# Altium PCB BTF16_2.PcbDoc (part 2 of 2)
Units mm, origin at the board's own origin, x right, y up, seen from the top; angles counter-clockwise.
Board outline 52.07 x 57.15 mm, 2 copper layers (Top Layer, Bottom Layer); 273 components, 134 nets, 1710 pads, 0 vias.
Unrouted connection lines stored in the file: 1540.
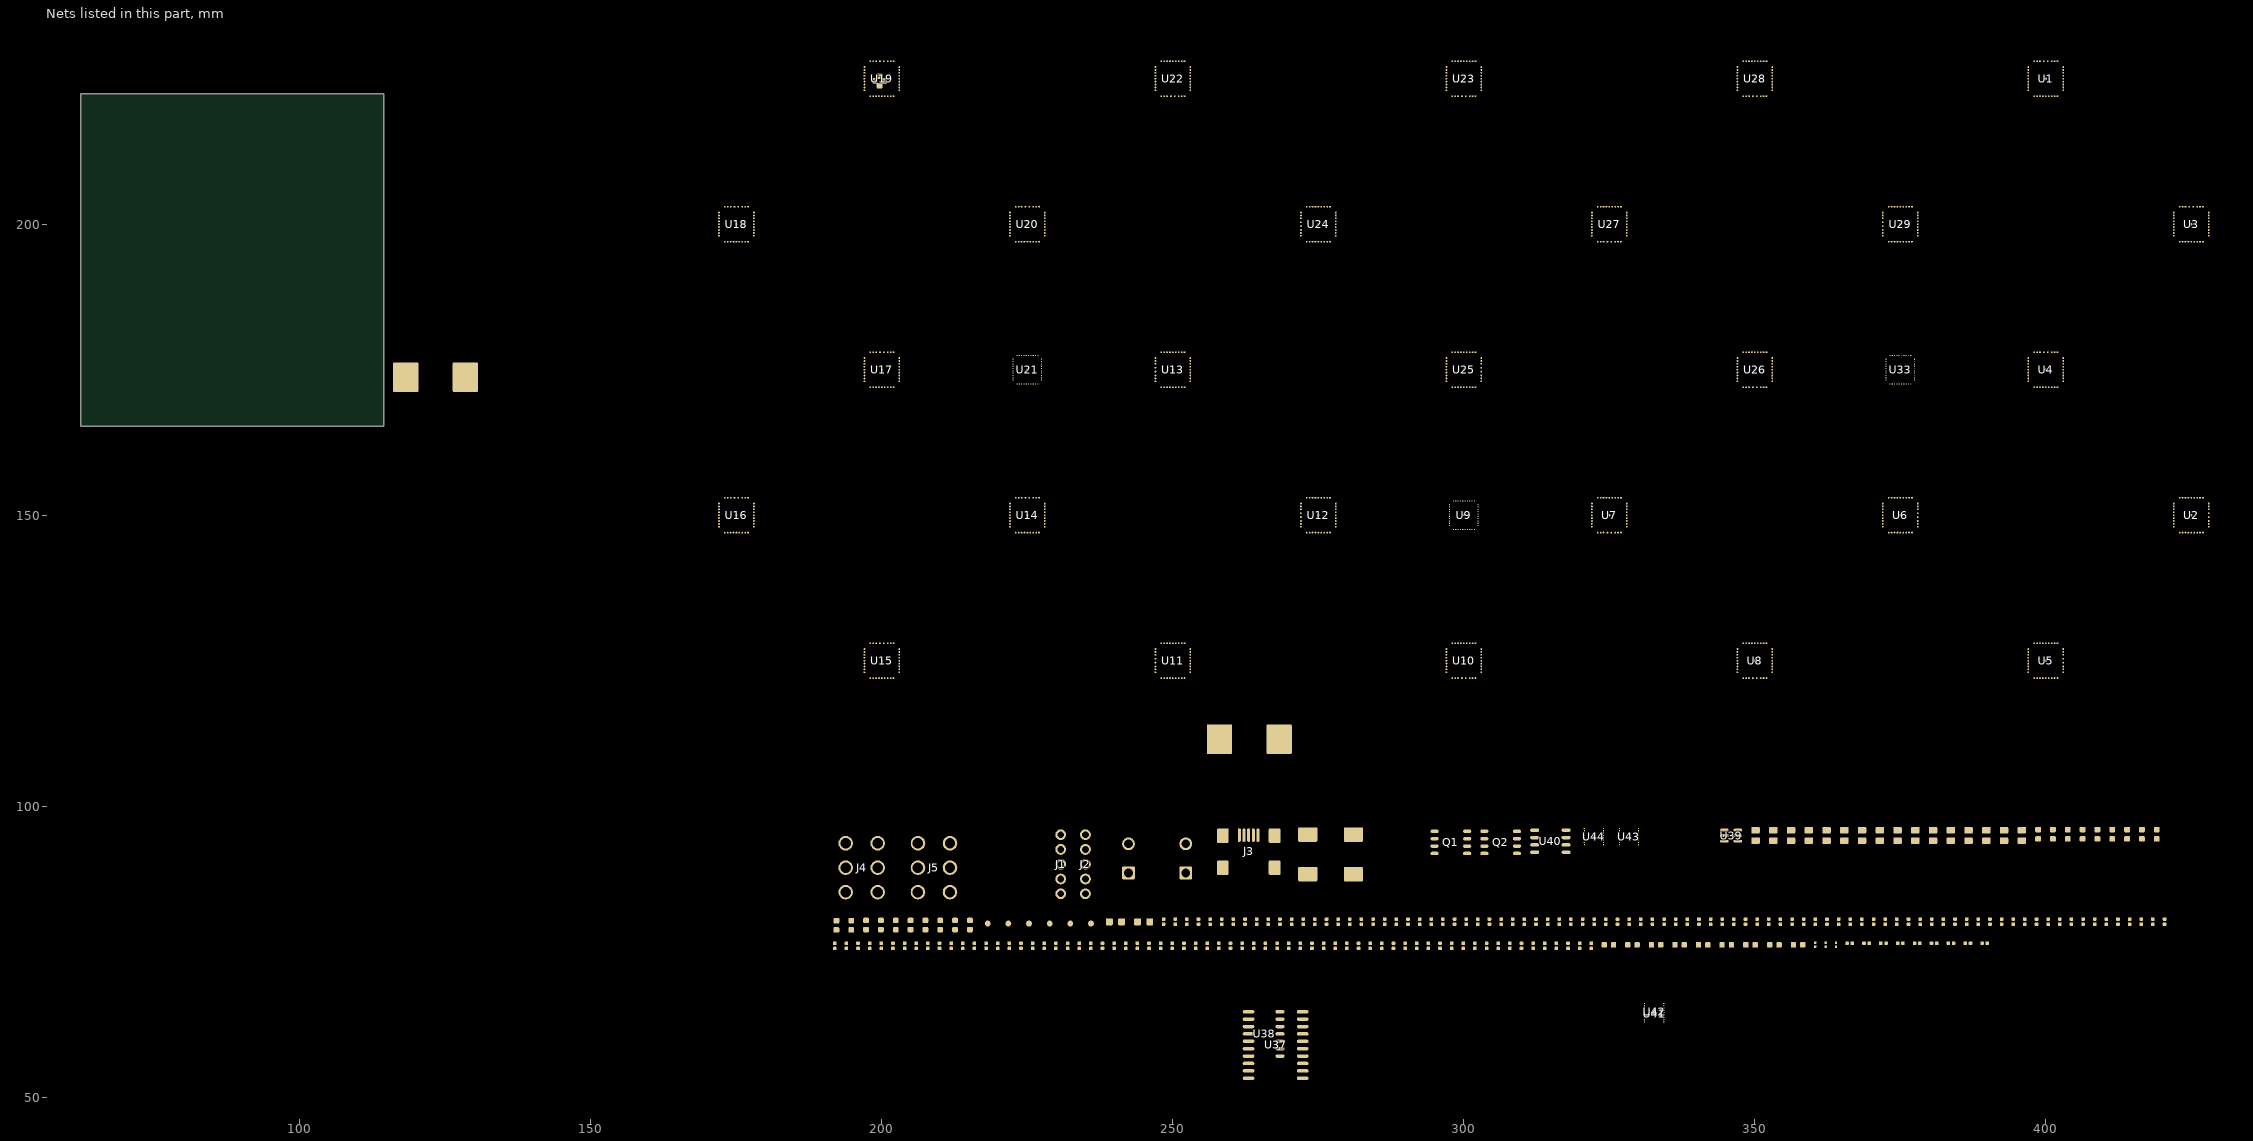
[diagram p2: the nets of this part, all layers, seen from the top]

## Part data
C1 C2 C3 C4 C5 C6 C7 C8 C9 C10 C11 C12 C13 C14 C15 C16 C17 C18 C19 C20 C21 C22 C23 C24 C25 C26 C27 C28 C29 C30 C31 C32 C33 C34 C35 C36 C37 C38 C39 C40 C41 C42 C43 C44 C45 C46 C47 C48 C50 C51 C52 C53 C54 C55 C56 C57 C58 C59 C60 C61 C62 C63 C64 C65 C66 C67 C72 C73 C74 C75 C76 C77 C78 C79 C80 C81 C82 C83 C84 C85 C86 C87 C88 C89 C90 C91 C92 C93 C94 C95 C96 C97 C98 C99 C100 C101 C102 C103 C104 C105 C106 C107 C108 C109 C110 C111 C112 C113 C114 C115 C116 C117 C118 C119 C121 C122 C123 C124 C125 C126 C127 C128 C129 C130 C131 C132 C133 C134 C135 C136 C137 C138 C139 C140 C141 C142 C143 C144 C145 C146 C147 C148 C149 C150 C151 C152 C153 C154 C155 C156 C157 C158 C159 C160 C161 C162 C163 C164 C165 C175 C176 C177: library part CAP000047481
C49 C120 C187 C206 C210 C220: library part CAP000027134
C68 C69 C70 C71: library part CAP000020649
C207: library part CAP000047176
C208: library part CAP000043646
C209 C219: library part CAP000023307
C211 C212 C213 C214 C215 C216 C217 C218 C221 C222 C223 C224 C225 C226 C227 C228: library part CAP000043650
D1 D3: library part OPT000000096
D2 D4: library part DDE000001725
J1 J2: library part CON000000006
J3: library part CON000000048
J4 J5: library part CON000000279
J6 J7: library part CON000000055
L1 L2: library part L
Q1 Q2: library part TRA000001604
R1 R2 R3 R4 R5 R6 R7 R8 R9 R10 R12: library part RES000008891
R11: library part RES000006283
R13 R14: library part RES000006240
R15 R16 R17: library part RES000005550
R18 R19 R20 R21 R22: library part RES000008926
TP1 TP2 TP3 TP4 TP5 TP6: library part TPO000000001
U1 U2 U3 U4 U5 U6 U7 U8 U10 U11 U12 U13 U14 U15 U16 U17 U18 U19 U20 U22 U23 U24 U25 U26 U27 U28 U29: "BitFury 2016 16 nm"
U37: library part MCU000000108
U38: library part MCU000000093
U39: library part DDE000002846
U40: library part PSU000000125
U41 U43: library part IC_CSD97394Q4M, "Texas Instrumendts Buck Boost DC-DC"
U42 U44: library part IC_CSD95379Q3M, "Texas Instrumendts Buck Boost DC-DC"

## Nets (pads, with @x,y where several pads share a name; then routed paths per layer and width w, separated by ;. In a path a pad name is that pad's centre, name@x,y a point inside that pad or via, vN(x,y) a via of type N, cw(c..) or ccw(c..) an arc to the next point about the centre after c; other vN are vias at no path point)
5.0V: C206.1 C208.1 C209.1 C219.1 J1.2 J2.2 J3.1 R19.1 R21.1 U37.1 U38.1 U39.1 U39.3 U40.1 U41.2 U42.1 U42.3 U43.2 U44.1 U44.3
12V: C215.1 C216.1 C217.1 C218.1 C225.1 C226.1 C227.1 C228.1 D2.1 D4.1 J4.1 J4.2 J4.3 J5.1 J5.2 J5.3 J6.1 J7.1 U40.8 U41.9 U41.10 U41.11 U41.12 U41.13 U42.9 U42.10 U42.11 U42.12 U43.9 U43.10 U43.11 U43.12 U43.13 U44.9 U44.10 U44.11 U44.12
BF_CLK0: U13.22 U21.10
BF_CLK1: U14.22 U21.7
BF_CLK2: U15.22 U21.4
BF_CLK3: U16.22 U21.1
BF_CLK4: U17.22 U21.38
BF_CLK5: U18.22 U21.35
BF_CLK6: U19.22 U21.32
BF_CLK7: U20.22 U21.29
BF_CLK8: U21.26 U22.22
BF_CLK9: U21.23 U23.22
BF_CLK10: U21.20 U24.22
BF_CLK11: U25.22 U33.10
BF_CLK12: U26.22 U33.7
BF_CLK13: U27.22 U33.4
BF_CLK14: U28.22 U33.1
BF_CLK15: U29.22 U33.38
BF_CLK16: U1.22 U9.10
BF_CLK17: U3.22 U9.7
BF_CLK18: U4.22 U9.4
BF_CLK19: U2.22 U9.1
BF_CLK20: U5.22 U9.38
BF_CLK21: U6.22 U9.35
BF_CLK22: U7.22 U9.32
BF_CLK23: U8.22 U9.29
BF_CLK24: U9.26 U10.22
BF_CLK25: U9.23 U12.22
BF_CLK26: U9.20 U11.22
BF_DAT0: U13.23 U21.9
BF_DAT1: U14.23 U21.6
BF_DAT2: U15.23 U21.3
BF_DAT3: U16.23 U21.40
BF_DAT4: U17.23 U21.37
BF_DAT5: U18.23 U21.34
BF_DAT6: U19.23 U21.31
BF_DAT7: U20.23 U21.28
BF_DAT8: U21.25 U22.23
BF_DAT9: U21.22 U23.23
BF_DAT10: U21.19 U24.23
BF_DAT11: U25.23 U33.9
BF_DAT12: U26.23 U33.6
BF_DAT13: U27.23 U33.3
BF_DAT14: U28.23 U33.40
BF_DAT15: U29.23 U33.37
BF_DAT16: U1.23 U9.9
BF_DAT17: U3.23 U9.6
BF_DAT18: U4.23 U9.3
BF_DAT19: U2.23 U9.40
BF_DAT20: U5.23 U9.37
BF_DAT21: U6.23 U9.34
BF_DAT22: U7.23 U9.31
BF_DAT23: U8.23 U9.28
BF_DAT24: U9.25 U10.23
BF_DAT25: U9.22 U12.23
BF_DAT26: U9.19 U11.23
CLK: J2.4 R17.1 U37.11 U37.16 U38.10
CLK_PAR: R17.2 U21.18
D+: J1.4 J3.3 U37.19 U38.13 U39.6
D-: J1.5 J3.2 U37.18 U38.12 U39.4
GND: C206.2 C207.2 C208.2 C209.2 C211.2 C212.2 C213.2 C214.2 C215.2 C216.2 C217.2 C218.2 C219.2 C221.2 C222.2 C223.2 C224.2 C225.2 C226.2 C227.2 C228.2 D1.1 D2.2 D3.1 D4.2 J1.3 J2.3 J3.5 J3.6 J3.7 J3.8 J3.9 J4.4 J4.5 J4.6 J5.4 J5.5 J5.6 J6.2 J7.2 Q1.1 Q1.2 Q1.3 Q2.1 Q2.2 Q2.3 R12.2 U37.20 U38.14 U39.2 U39.5 U40.2 U40.3 U40.4 U40.5 U40.6 U40.7 U41.3 U42.4 U42.17 U43.3 U44.4 U44.17
MCLR: J1.1 J2.1 J3.4 U37.4 U38.4
MISO_MCU: J2.5 R16.1 U37.13 U37.15 U38.9
MISO_TX0: R16.2 U21.11
MOSI_MCU: R15.1 U37.9 U37.14 U38.8
MOSI_RX0: R15.2 U21.12
NetC210_1: C210.1 U41.15 U42.14
NetC210_2: C210.2 U41.14 U42.13
NetC220_1: C220.1 U43.15 U44.14
NetC220_2: C220.2 U43.14 U44.13
NetD1_2: D1.2 R13.1
NetD3_2: D3.2 R14.1
NetL1_2: L1.2 U41.4 U41.5 U41.6 U41.7 U41.8 U42.5 U42.6 U42.7 U42.8
NetL2_2: L2.2 U43.4 U43.5 U43.6 U43.7 U43.8 U44.5 U44.6 U44.7 U44.8
NetR13_2: R13.2 U37.10
NetR19_2: R19.2 U41.1 U42.2
NetR20_2: R20.2 U41.16 U42.15
NetR21_2: R21.2 U43.1 U44.2
NetR22_2: R22.2 U43.16 U44.15
NetTP5_1: TP5.1 U37.12
PAR_2: R8.1 U33.18
PAR_3: R3.1 U9.18
POWER_ON_OFF: Q1.4 Q2.4 R18.2
PWM1: R20.1 U37.5 U38.5 U42.16
PWM2: R22.1 U37.8 U44.16
PWR: R18.1 U37.7 U38.7
PWR0: C72.2 C73.2 C74.2 C84.2 C85.2 C86.2 C120.2 Q1.5 Q1.6 Q1.7 Q1.8 Q2.5 Q2.6 Q2.7 Q2.8 U13.36 U21.41
PWR1: C72.1 C73.1 C74.1 C75.2 C76.2 C77.2 C84.1 C85.1 C86.1 C87.2 C88.2 C89.2 U13.1 U13.2 U13.3 U13.4 U13.5 U13.6 U13.7 U13.8 U13.9 U13.10 U13.11 U13.12 U13.13 U13.14 U13.15 U13.16 U13.17 U13.18 U13.19 U13.20 U13.21 U13.24 U13.25 U13.26 U13.27 U13.28 U13.29 U13.30 U13.31 U13.32 U13.33 U13.34 U13.35 U14.36 U21.8
PWR2: C75.1 C76.1 C77.1 C78.2 C79.2 C80.2 C87.1 C88.1 C89.1 C90.2 C91.2 C92.2 U14.1 U14.2 U14.3 U14.4 U14.5 U14.6 U14.7 U14.8 U14.9 U14.10 U14.11 U14.12 U14.13 U14.14 U14.15 U14.16 U14.17 U14.18 U14.19 U14.20 U14.21 U14.24 U14.25 U14.26 U14.27 U14.28 U14.29 U14.30 U14.31 U14.32 U14.33 U14.34 U14.35 U15.36 U21.5
PWR3: C78.1 C79.1 C80.1 C81.2 C82.2 C83.2 C90.1 C91.1 C92.1 C93.2 C94.2 C95.2 U15.1 U15.2 U15.3 U15.4 U15.5 U15.6 U15.7 U15.8 U15.9 U15.10 U15.11 U15.12 U15.13 U15.14 U15.15 U15.16 U15.17 U15.18 U15.19 U15.20 U15.21 U15.24 U15.25 U15.26 U15.27 U15.28 U15.29 U15.30 U15.31 U15.32 U15.33 U15.34 U15.35 U16.36 U21.2
PWR4: C81.1 C82.1 C83.1 C93.1 C94.1 C95.1 C96.2 C97.2 C98.2 C108.2 C109.2 C110.2 U16.1 U16.2 U16.3 U16.4 U16.5 U16.6 U16.7 U16.8 U16.9 U16.10 U16.11 U16.12 U16.13 U16.14 U16.15 U16.16 U16.17 U16.18 U16.19 U16.20 U16.21 U16.24 U16.25 U16.26 U16.27 U16.28 U16.29 U16.30 U16.31 U16.32 U16.33 U16.34 U16.35 U17.36 U21.39
PWR5: C96.1 C97.1 C98.1 C99.2 C100.2 C101.2 C108.1 C109.1 C110.1 C111.2 C112.2 C113.2 U17.1 U17.2 U17.3 U17.4 U17.5 U17.6 U17.7 U17.8 U17.9 U17.10 U17.11 U17.12 U17.13 U17.14 U17.15 U17.16 U17.17 U17.18 U17.19 U17.20 U17.21 U17.24 U17.25 U17.26 U17.27 U17.28 U17.29 U17.30 U17.31 U17.32 U17.33 U17.34 U17.35 U18.36 U21.36
PWR6: C99.1 C100.1 C101.1 C102.2 C103.2 C104.2 C111.1 C112.1 C113.1 C114.2 C115.2 C116.2 U18.1 U18.2 U18.3 U18.4 U18.5 U18.6 U18.7 U18.8 U18.9 U18.10 U18.11 U18.12 U18.13 U18.14 U18.15 U18.16 U18.17 U18.18 U18.19 U18.20 U18.21 U18.24 U18.25 U18.26 U18.27 U18.28 U18.29 U18.30 U18.31 U18.32 U18.33 U18.34 U18.35 U19.36 U21.33
PWR7: C102.1 C103.1 C104.1 C105.2 C106.2 C107.2 C114.1 C115.1 C116.1 C117.2 C118.2 C119.2 U19.1 U19.2 U19.3 U19.4 U19.5 U19.6 U19.7 U19.8 U19.9 U19.10 U19.11 U19.12 U19.13 U19.14 U19.15 U19.16 U19.17 U19.18 U19.19 U19.20 U19.21 U19.24 U19.25 U19.26 U19.27 U19.28 U19.29 U19.30 U19.31 U19.32 U19.33 U19.34 U19.35 U20.36 U21.30
PWR8: C105.1 C106.1 C107.1 C117.1 C118.1 C119.1 C121.2 C122.2 C123.2 C130.2 C131.2 C132.2 U20.1 U20.2 U20.3 U20.4 U20.5 U20.6 U20.7 U20.8 U20.9 U20.10 U20.11 U20.12 U20.13 U20.14 U20.15 U20.16 U20.17 U20.18 U20.19 U20.20 U20.21 U20.24 U20.25 U20.26 U20.27 U20.28 U20.29 U20.30 U20.31 U20.32 U20.33 U20.34 U20.35 U21.27 U22.36
PWR9: C121.1 C122.1 C123.1 C124.2 C125.2 C126.2 C130.1 C131.1 C132.1 C133.2 C134.2 C135.2 U21.24 U22.1 U22.2 U22.3 U22.4 U22.5 U22.6 U22.7 U22.8 U22.9 U22.10 U22.11 U22.12 U22.13 U22.14 U22.15 U22.16 U22.17 U22.18 U22.19 U22.20 U22.21 U22.24 U22.25 U22.26 U22.27 U22.28 U22.29 U22.30 U22.31 U22.32 U22.33 U22.34 U22.35 U23.36
PWR10: C124.1 C125.1 C126.1 C127.2 C128.2 C129.2 C133.1 C134.1 C135.1 C136.2 C137.2 C138.2 U21.21 U23.1 U23.2 U23.3 U23.4 U23.5 U23.6 U23.7 U23.8 U23.9 U23.10 U23.11 U23.12 U23.13 U23.14 U23.15 U23.16 U23.17 U23.18 U23.19 U23.20 U23.21 U23.24 U23.25 U23.26 U23.27 U23.28 U23.29 U23.30 U23.31 U23.32 U23.33 U23.34 U23.35 U24.36
PWR11: C120.1 C127.1 C128.1 C129.1 C136.1 C137.1 C138.1 C139.2 C140.2 C141.2 C151.2 C152.2 C153.2 C187.2 R8.2 R9.2 R10.2 U21.17 U24.1 U24.2 U24.3 U24.4 U24.5 U24.6 U24.7 U24.8 U24.9 U24.10 U24.11 U24.12 U24.13 U24.14 U24.15 U24.16 U24.17 U24.18 U24.19 U24.20 U24.21 U24.24 U24.25 U24.26 U24.27 U24.28 U24.29 U24.30 U24.31 U24.32 U24.33 U24.34 U24.35 U25.36 U33.41
PWR12: C139.1 C140.1 C141.1 C142.2 C143.2 C144.2 C151.1 C152.1 C153.1 C154.2 C155.2 C156.2 U25.1 U25.2 U25.3 U25.4 U25.5 U25.6 U25.7 U25.8 U25.9 U25.10 U25.11 U25.12 U25.13 U25.14 U25.15 U25.16 U25.17 U25.18 U25.19 U25.20 U25.21 U25.24 U25.25 U25.26 U25.27 U25.28 U25.29 U25.30 U25.31 U25.32 U25.33 U25.34 U25.35 U26.36 U33.8
PWR13: C142.1 C143.1 C144.1 C145.2 C146.2 C147.2 C154.1 C155.1 C156.1 C157.2 C158.2 C159.2 U26.1 U26.2 U26.3 U26.4 U26.5 U26.6 U26.7 U26.8 U26.9 U26.10 U26.11 U26.12 U26.13 U26.14 U26.15 U26.16 U26.17 U26.18 U26.19 U26.20 U26.21 U26.24 U26.25 U26.26 U26.27 U26.28 U26.29 U26.30 U26.31 U26.32 U26.33 U26.34 U26.35 U27.36 U33.5
PWR14: C145.1 C146.1 C147.1 C148.2 C149.2 C150.2 C157.1 C158.1 C159.1 C160.2 C161.2 C162.2 U27.1 U27.2 U27.3 U27.4 U27.5 U27.6 U27.7 U27.8 U27.9 U27.10 U27.11 U27.12 U27.13 U27.14 U27.15 U27.16 U27.17 U27.18 U27.19 U27.20 U27.21 U27.24 U27.25 U27.26 U27.27 U27.28 U27.29 U27.30 U27.31 U27.32 U27.33 U27.34 U27.35 U28.36 U33.2
PWR15: C148.1 C149.1 C150.1 C160.1 C161.1 C162.1 C163.2 C164.2 C165.2 C175.2 C176.2 C177.2 U28.1 U28.2 U28.3 U28.4 U28.5 U28.6 U28.7 U28.8 U28.9 U28.10 U28.11 U28.12 U28.13 U28.14 U28.15 U28.16 U28.17 U28.18 U28.19 U28.20 U28.21 U28.24 U28.25 U28.26 U28.27 U28.28 U28.29 U28.30 U28.31 U28.32 U28.33 U28.34 U28.35 U29.36 U33.39
PWR16: C1.2 C2.2 C3.2 C13.2 C14.2 C15.2 C49.2 C163.1 C164.1 C165.1 C175.1 C176.1 C177.1 R3.2 R4.2 R5.2 U1.36 U9.41 U29.1 U29.2 U29.3 U29.4 U29.5 U29.6 U29.7 U29.8 U29.9 U29.10 U29.11 U29.12 U29.13 U29.14 U29.15 U29.16 U29.17 U29.18 U29.19 U29.20 U29.21 U29.24 U29.25 U29.26 U29.27 U29.28 U29.29 U29.30 U29.31 U29.32 U29.33 U29.34 U29.35 U33.34 U33.36
PWR17: C1.1 C2.1 C3.1 C4.2 C5.2 C6.2 C13.1 C14.1 C15.1 C16.2 C17.2 C18.2 U1.1 U1.2 U1.3 U1.4 U1.5 U1.6 U1.7 U1.8 U1.9 U1.10 U1.11 U1.12 U1.13 U1.14 U1.15 U1.16 U1.17 U1.18 U1.19 U1.20 U1.21 U1.24 U1.25 U1.26 U1.27 U1.28 U1.29 U1.30 U1.31 U1.32 U1.33 U1.34 U1.35 U3.36 U9.8 U33.31 U33.33
PWR18: C4.1 C5.1 C6.1 C7.2 C8.2 C9.2 C16.1 C17.1 C18.1 C19.2 C20.2 C21.2 U3.1 U3.2 U3.3 U3.4 U3.5 U3.6 U3.7 U3.8 U3.9 U3.10 U3.11 U3.12 U3.13 U3.14 U3.15 U3.16 U3.17 U3.18 U3.19 U3.20 U3.21 U3.24 U3.25 U3.26 U3.27 U3.28 U3.29 U3.30 U3.31 U3.32 U3.33 U3.34 U3.35 U4.36 U9.5 U33.28 U33.30
PWR19: C7.1 C8.1 C9.1 C10.2 C11.2 C12.2 C19.1 C20.1 C21.1 C22.2 C23.2 C24.2 U2.36 U4.1 U4.2 U4.3 U4.4 U4.5 U4.6 U4.7 U4.8 U4.9 U4.10 U4.11 U4.12 U4.13 U4.14 U4.15 U4.16 U4.17 U4.18 U4.19 U4.20 U4.21 U4.24 U4.25 U4.26 U4.27 U4.28 U4.29 U4.30 U4.31 U4.32 U4.33 U4.34 U4.35 U9.2 U33.25 U33.27
PWR20: C10.1 C11.1 C12.1 C22.1 C23.1 C24.1 C25.2 C26.2 C27.2 C37.2 C38.2 C39.2 U2.1 U2.2 U2.3 U2.4 U2.5 U2.6 U2.7 U2.8 U2.9 U2.10 U2.11 U2.12 U2.13 U2.14 U2.15 U2.16 U2.17 U2.18 U2.19 U2.20 U2.21 U2.24 U2.25 U2.26 U2.27 U2.28 U2.29 U2.30 U2.31 U2.32 U2.33 U2.34 U2.35 U5.36 U9.39 U33.22 U33.24
PWR21: C25.1 C26.1 C27.1 C28.2 C29.2 C30.2 C37.1 C38.1 C39.1 C40.2 C41.2 C42.2 U5.1 U5.2 U5.3 U5.4 U5.5 U5.6 U5.7 U5.8 U5.9 U5.10 U5.11 U5.12 U5.13 U5.14 U5.15 U5.16 U5.17 U5.18 U5.19 U5.20 U5.21 U5.24 U5.25 U5.26 U5.27 U5.28 U5.29 U5.30 U5.31 U5.32 U5.33 U5.34 U5.35 U6.36 U9.36 U33.19 U33.21
PWR22: C28.1 C29.1 C30.1 C31.2 C32.2 C33.2 C40.1 C41.1 C42.1 C43.2 C44.2 C45.2 C187.1 R6.2 R7.2 U6.1 U6.2 U6.3 U6.4 U6.5 U6.6 U6.7 U6.8 U6.9 U6.10 U6.11 U6.12 U6.13 U6.14 U6.15 U6.16 U6.17 U6.18 U6.19 U6.20 U6.21 U6.24 U6.25 U6.26 U6.27 U6.28 U6.29 U6.30 U6.31 U6.32 U6.33 U6.34 U6.35 U7.36 U9.33 U33.17
PWR23: C31.1 C32.1 C33.1 C34.2 C35.2 C36.2 C43.1 C44.1 C45.1 C46.2 C47.2 C48.2 U7.1 U7.2 U7.3 U7.4 U7.5 U7.6 U7.7 U7.8 U7.9 U7.10 U7.11 U7.12 U7.13 U7.14 U7.15 U7.16 U7.17 U7.18 U7.19 U7.20 U7.21 U7.24 U7.25 U7.26 U7.27 U7.28 U7.29 U7.30 U7.31 U7.32 U7.33 U7.34 U7.35 U8.36 U9.30
PWR24: C34.1 C35.1 C36.1 C46.1 C47.1 C48.1 C50.2 C51.2 C52.2 C59.2 C60.2 C61.2 U8.1 U8.2 U8.3 U8.4 U8.5 U8.6 U8.7 U8.8 U8.9 U8.10 U8.11 U8.12 U8.13 U8.14 U8.15 U8.16 U8.17 U8.18 U8.19 U8.20 U8.21 U8.24 U8.25 U8.26 U8.27 U8.28 U8.29 U8.30 U8.31 U8.32 U8.33 U8.34 U8.35 U9.27 U10.36
PWR25: C50.1 C51.1 C52.1 C53.2 C54.2 C55.2 C59.1 C60.1 C61.1 C62.2 C63.2 C64.2 U9.24 U10.1 U10.2 U10.3 U10.4 U10.5 U10.6 U10.7 U10.8 U10.9 U10.10 U10.11 U10.12 U10.13 U10.14 U10.15 U10.16 U10.17 U10.18 U10.19 U10.20 U10.21 U10.24 U10.25 U10.26 U10.27 U10.28 U10.29 U10.30 U10.31 U10.32 U10.33 U10.34 U10.35 U12.36
PWR26: C53.1 C54.1 C55.1 C56.2 C57.2 C58.2 C62.1 C63.1 C64.1 C65.2 C66.2 C67.2 U9.21 U11.36 U12.1 U12.2 U12.3 U12.4 U12.5 U12.6 U12.7 U12.8 U12.9 U12.10 U12.11 U12.12 U12.13 U12.14 U12.15 U12.16 U12.17 U12.18 U12.19 U12.20 U12.21 U12.24 U12.25 U12.26 U12.27 U12.28 U12.29 U12.30 U12.31 U12.32 U12.33 U12.34 U12.35
RA5: R14.2 U37.2 U38.2
RC4: TP6.1 U37.6 U38.6
RX0_2: C70.1 U33.12
RX0_3: C68.1 U9.12
RX1_1: C69.2 U21.14
RX1_2: R7.1 R10.1 U33.14
RX1_3: R2.1 R5.1 U9.14
RX2_1: C71.2 U21.16
RX2_2: R6.1 R9.1 U33.16
RX2_3: R1.1 R4.1 U9.16
TX0_2: C71.1 U33.11
TX0_3: C69.1 U9.11
TX1_1: C68.2 U21.13
TX1_2: TP3.1 U33.13
TX1_3: TP1.1 U9.13
TX2_1: C70.2 U21.15
TX2_2: TP4.1 U33.15
TX2_3: TP2.1 U9.15
VCC: C49.1 C56.1 C57.1 C58.1 C65.1 C66.1 C67.1 C211.1 C212.1 C213.1 C214.1 C221.1 C222.1 C223.1 C224.1 L1.1 L2.1 R1.2 R2.2 R11.1 U9.17 U11.1 U11.2 U11.3 U11.4 U11.5 U11.6 U11.7 U11.8 U11.9 U11.10 U11.11 U11.12 U11.13 U11.14 U11.15 U11.16 U11.17 U11.18 U11.19 U11.20 U11.21 U11.24 U11.25 U11.26 U11.27 U11.28 U11.29 U11.30 U11.31 U11.32 U11.33 U11.34 U11.35
VMEAS: R11.2 R12.1 U37.3 U38.3
VUSB3V3: C207.1 U37.17 U38.11
pads on no net: J3.10 J3.11 U33.20 U33.23 U33.26 U33.29 U33.32 U33.35 U41.17 U43.17

## Keep-outs
Keep-Out Layer:
  text "Board Outline" at 106.68,30.48 h1.52

## Other copper
Top Layer:
  text "Top" at 106.68,30.48 h1.52
Bottom Layer:
  text "Bottom" at 106.68,30.48 h1.52
Multi-Layer:
  lines w0.1 net 12V: 0,7.5 190,7.5 ; 0,52.5 190,52.5 ; 0,93.538 5,93.538 ; 0,143.538 5,143.538 ; 0,243.576 5,243.576 ; 5,0 5,287 ; 5,12.5 100,12.5 ; 5,17.5 190,17.5 ; 5,22.5 100,22.5 ; 5,27.5 190,27.5 ; 5,32.5 100,32.5 ; 5,37.5 190,37.5 ; 5,42.5 100,42.5 ; 5,47.5 100,47.5 ; 12.75,7.5 12.75,52.5 ; 65,7.5 65,52.5 ; 80,7.5 80,52.5 ; 90,7.5 90,52.5 ; 100,7.5 100,52.5 ; 132.5,27.5 132.5,37.5 ; 142.5,27.5 142.5,52.5 ; 177.5,7.5 177.5,37.5 ; 195,52.5 200,52.5 ; 0,0 190,0 190,287 0,287 0,0
  text "D R A F T" at 53.34,241.3 h20.32
  text "D&D IMI Bulgaria" at 154.204,42.803 h2.19
  text "Layer" at 101.6,35.56 h1.25
  text "Scale" at 134.62,35.56 h1.25
  text "Document type" at 144.78,35.56 h1.25
  text "Size" at 181.016,34.31 h1.25
  text "1:1" at 135.89,29.21 h1.69
  text "Gerber" at 155.575,29.21 h1.69
  text "A4" at 181.61,29.21 h1.69
  text "Title/DrawingNr" at 101.6,25.4 h1.25
  text "REV" at 181.173,24.21 h1.25
  text "730XXX_PCB-xxx" at 118.745,20.955 h1.52
  text "01" at 181.219,19.887 h1.69
  text "Project" at 101.6,15.24 h1.25
  text "Sheet" at 180.266,14.76 h1.25
  text "01" at 7.62,13.97 h1.69
  text "Creation" at 31.75,13.97 h1.69
  text "2011.12.01" at 66.675,13.97 h1.63
  text "GTA" at 82.55,13.97 h1.63
  text "YYY" at 92.71,13.97 h1.63
  text "730XXX_XXX" at 122.555,11.43 h1.69
  text "1/1" at 180.975,8.89 h1.69
  text "Rev." at 6.514,8.487 h1.69
  text "Modification" at 28.944,8.487 h1.69
  text "Date" at 68.598,8.487 h1.69
  text "Author" at 80.758,8.487 h1.69
  text "Check" at 91.007,8.487 h1.69
  text "Printed copies of this document are uncontrolled and may NOT be current. All information is strictly CONFIDENTIAL. EPIQ Group reserves all" at 5.7,4.55 h1.31
  text "rights even in the event of industrial property rights." at 136.1,4.55 h1.31
  text "We reserve all rights of disposal such as copying and passing on to third parties." at 5.6,1.5 h1.31

## Silkscreen, mask and mechanical layers (free items; w line width, h text height)
Top Overlay:
  text "Top Silk" at 106.68,30.48 h1.52
Bottom Overlay:
  text "Bottom Silk" at 106.68,30.48 h1.52
Top Paste:
  text "Top Paste" at 106.68,30.48 h1.52
  text "Top Paste" at 106.68,30.48 h1.52
Bottom Paste:
  text "Bottom Paste" at 106.68,30.48 h1.52
Top Solder:
  text "Top Mask" at 106.68,30.48 h1.52
Bottom Solder:
  text "Bottom Mask" at 106.68,30.48 h1.52
Drill Guide:
  text "Drill Guide" at 106.68,30.48 h1.52
Top Assy:
  text "Top Assy" at 106.68,30.48 h1.52
Bott Assy:
  text "Bottom Assy" at 106.68,30.48 h1.52
Drill Drawing:
  text ".Legend" at 63.5,106.68 h1.52
  text "Drill Drawing" at 106.68,30.48 h1.52

## Text inside footprints (layer, text, board x,y; h text height)
J1: Top Assy "1" at 231.67,83.961 h0.5 r90; Top Assy "5" at 231.67,95.804 h0.5 r90
J2: Top Assy "1" at 235.92,83.961 h0.5 r90; Top Assy "5" at 235.92,95.804 h0.5 r90
J3: Top Assy "1" at 261.361,93.021 h0.5; Top Assy "5" at 264.504,93.021 h0.5
J4: Top Assy "6" at 199.075,95.016 h0.5 r90; Top Assy "3" at 194.125,95.004 h0.5 r90; Top Assy "4" at 199.075,83.392 h0.5 r90; Top Assy "1" at 194.125,83.511 h0.5 r90
J5: Top Assy "6" at 211.498,95.016 h0.5 r90; Top Assy "3" at 206.548,95.004 h0.5 r90; Top Assy "4" at 211.498,83.392 h0.5 r90; Top Assy "1" at 206.548,83.511 h0.5 r90
J6: Top Assy "1" at 252.17,86.961 h0.5 r90
J7: Top Assy "1" at 242.32,86.961 h0.5 r90